# KiCad board STM32MP25XXAJ_DDR4.kicad_pcb (continued)
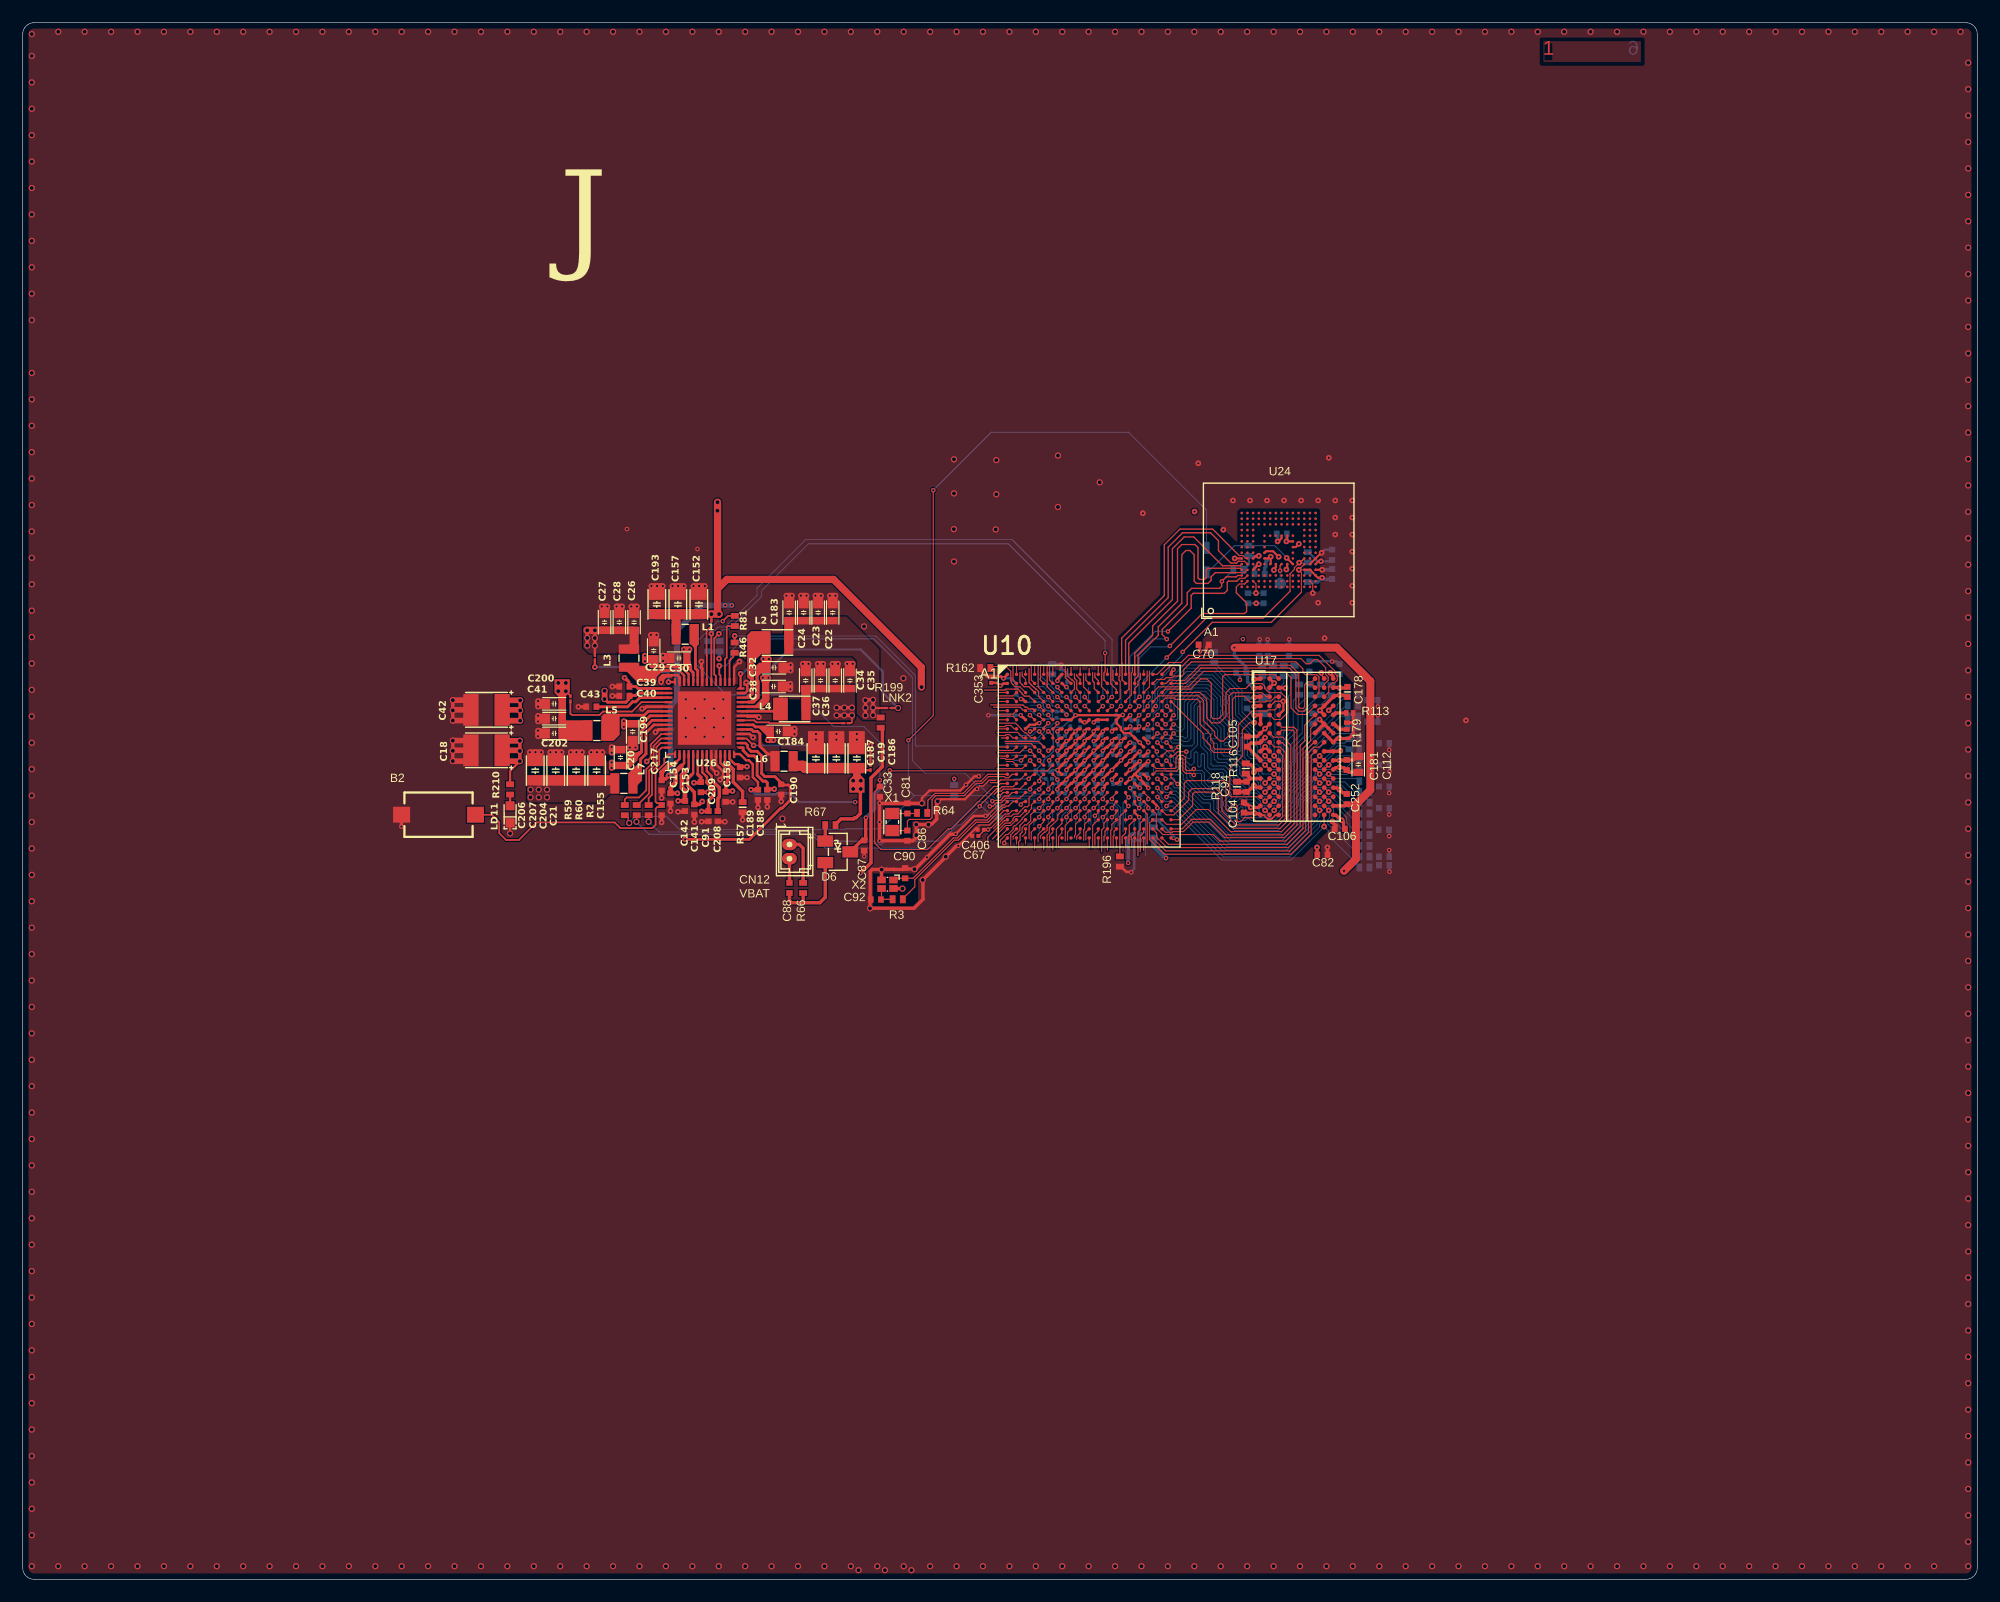
[diagram p0: board, top side]
## Routing (per net, layer and track width the routed paths; a pad name or vN(x,y) marks a point on that pad's centre or on a via; arc(x,y) is an arc through that point) (continued)
VBAT: length 23.9
  Top Layer w0.09: U10.L6 90.16,71.16 76.34,71.16 v1(76.3,71.2)
  Top Layer w0.3: 73.2,64.38 72.85,64.03 D6.3 73.82,65.03 C87.2 ; 73.92,65.12 74.17,65.12 74.18,65.13 74.18,67.01 v1(74.2,67.03)
  Bottom Layer w0.3: v1(74.2,67.03) 74.95,67.78 74.95,69.13 76.3,70.48 v1(76.3,71.2)
VDD3V3_USB: length 50.4
  Top Layer w0.21: 63.12,71.53 63.12,71.6 62.99,71.73 62.92,71.73 62.92,71.74 62.66,71.74 62.2,72.2 U26.13
  Top Layer w0.3: 63.12,71.53 v2(63.73,71.53)
  Signal Layer 2 2 w0.5: v2(63.73,71.53) 66.62,71.53 68.65,69.5 68.65,65.93 73.4,61.19 73.72,61.19 75.75,59.15 93.75,59.15 96.04,61.43 98.57,61.43 v1(100.61,63.47)
  Bottom Layer w0.5: 100.59,63.49 99.55,64.53 R197.1
VDD_DDR: length 45.7
  Top Layer w0.15: v3(47.8,78.17) 48.2,77.76 LNK8.2
  Top Layer w0.2: 109.32,74.86 109.31,74.86 108.97,74.52 ; 108.93,72.87 108.95,72.87 ; 109.73,75.27 109.32,74.87 109.32,74.85 ; 109.33,73.25 109.33,73.27
  Top Layer w0.21: 56.27,78.4 56.82,78.4
  Top Layer w0.22: v1(99.05,72) 99.02,71.97 98.97,71.97 U10.L16 97.88,70.88 ; 97.3,73.65 97.3,73.5 U10.J14 ; 97.46,70.45 97.85,70.84 ; v1(97.45,75.06) 97.24,74.85 U10.G14 ; 99.05,69.65 U10.N16 98.63,70.07 98.63,70.13 98.3,70.46 v1(98.3,70.5) 98.25,70.5 98.16,70.59 97.94,70.81 97.91,70.81 97.87,70.85 U10.M15 ; U10.K15 98.25,72.85 ; 103.57,81.62 103.57,82.15 C70.2 ; 97.45,72.02 97.12,71.69 97.11,71.69 97.07,71.65 U10.L14 ; v2(114.92,76.48) U17.D9 ; v1(97.45,72.03) 97.85,72.43 ; U10.N14 v1(97.45,70.45)
  Top Layer w0.25: 53.46,78.58 53.35,78.69 53.35,78.98 53.2,79.12 53.2,79.12 ; 56.27,78.4 54.15,78.4 53.98,78.58 53.51,78.58
  Top Layer w0.28: 108.93,68.07 108.89,68.07 108.74,67.93 108.05,67.93 107.79,68.19 107.51,68.19 107.4,68.31 ; 114.9,74.91 114.89,74.91 114.53,75.27 ; U17.B3 110.54,78.46 111.09,78.46 ; U17.G7 114.5,75.25 ; 115.33,72.87 115.33,72.87 114.53,72.87 ; 115.88,71.47 115.92,71.43 116.28,71.43 116.49,71.22 116.54,71.22 116.73,71.03 117.55,71.03 ; 115.88,71.47 115.84,71.43 115.52,71.43 115.35,71.27 115.33,71.27 ; 115.88,71.47 115.88,71.42 ; 108.97,74.52 108.63,74.18 107.74,74.18 ; C178.2 116.6,78.55 ; v2(115.95,72.93) 115.9,72.88 U17.J9 ; U17.T9 115.35,67.25 115.58,67.25 116.02,66.8 v2(116.07,66.8) 116.07,66.74 116.23,66.58 116.23,66.19 116.33,66.1 116.35,66.1 ; 113.9,63.77 113.9,64.41 ; 108.34,79.23 108.35,79.24 108.85,79.24 108.86,79.25 108.9,79.25 108.93,79.27 ; 115.07,79.78 115.07,79.72 115.3,79.49 115.3,79.28 115.33,79.25 ; 116.6,78.6 116.45,78.45 v2(115.9,78.45) ; 114.96,74.84 115.33,74.47 U17.G9 ; 109.33,73.27 109.73,72.87 ; U17.L1 108.91,71.26 108.61,71.26 108.34,70.99 108.29,71.04 108.29,71.47 108.07,71.7 107.74,71.7 R116.1 ; 115.33,79.27 115.33,79.28 ; 114.53,72.84 114.55,72.84 ; 114.53,75.3 114.5,75.3 v2(114.12,75.68) ; 115.33,78.47 115.35,78.5 115.83,78.5 115.91,78.42 115.97,78.42
  Top Layer w0.3: 52.94,79.38 53.2,79.12 ; 108.95,72.87 109.33,73.25 ; 108.38,76.87 108.93,76.87 ; 108.38,77.67 108.93,77.67
  Top Layer w0.64: C200.2 C41.2 C202.2 ; 47.48,77.5 47.48,77.93
  Top Layer w0.8: 47.7,74.45 49.48,74.45
  Bottom Layer w0.22: v1(97.45,72.03) 97.7,72.03 97.8,71.93 ; 108.38,77.6 v2(108.38,76.83) 108.4,76.8 ; 108.38,77.6 108.4,77.62 ; 108.38,77.6 108.32,77.55 C218.2 ; 108.38,77.6 v2(108.38,77.62) 108.4,77.62 ; v1(97.45,70.45) 97.7,70.45 C386.2 ; C175.2 98.3,72.58 v1(98.3,72.85) ; 97.45,73.65 97.7,73.65 C201.2 ; v1(99.05,69.65) 99.05,69.9 C195.2 ; v1(97.45,75.06) 97.57,74.94 C176.2 97.57,74.65 ; 98.25,70.5 98.25,70.75 C389.1 ; 108.4,77.62 109.15,77.62 C172.2 ; v1(99.05,72) 99.05,71.75 C383.2
  Bottom Layer w0.28: C179.2 113.88,75.68 v2(114.12,75.68) 114.15,75.68
  vias: v1(97.45,73.65) v1(103.6,81.68) v2(52.95,79.35) v2(108.06,67.93) v2(108.33,71.02) v2(108.36,79.23) v2(109.32,74.88) v2(109.32,73.28) v2(111.11,78.45) v2(113.89,64.42) v2(115.06,79.78) v2(115.87,71.48) v3(47.12,78.89) v3(47.12,78.17) v3(47.8,78.89)
VDD_DDR_FB: length 10.2
  Top Layer w0.15: U26.46 54.45,77.2 53.63,76.38 51.74,76.38 51.74,76.37 51.07,76.37 50.77,76.07 48.32,76.07 48.2,76.19 LNK8.1
VDD_EMMC: length 133.5
  Top Layer w0.18: 109.82,89.85 109.82,89.41 109.78,89.36 U24.F5 ; U24.J10 111.28,91.42 111.27,91.41 111.27,91.33 111.28,91.33 ; U24.E6 109.58,89.85 109.73,90 v2(109.82,90) ; 111.28,91.33 111.28,91.32 111.36,91.32 111.39,91.35 U24.K9 ; 111.28,91.33 111.2,91.25
  Top Layer w0.21: U26.16 63.6,73.6 63.79,73.41 63.79,73.19 63.93,73.04
  Top Layer w0.25: v2(58.3,65.12) 63.96,65.12 66.7,67.87 66.82,67.87 67.53,68.58 67.53,69.76 67.39,69.91 66.8,69.91 C190.1 ; 66.75,70.09 66.19,70.65 65.3,70.65 65.03,70.93 65.03,72.48 64.63,72.87 64.1,72.87 63.93,73.04
  Signal Layer 2 2 w0.5: 111.21,91.25 111.21,91.08 110.75,90.62 110.27,90.62 109.84,90.2 109.84,90.01 109.83,90 ; 58.31,65.12 57.88,65.55 57.88,66.91 58.27,67.3 58.27,69.37 57.88,69.76 57.88,71.79 57.02,72.65 54.71,72.65 52.84,70.77 44.03,70.77 42.97,71.84 42.97,84.46 51.63,93.11 106.74,93.11 109.69,90.16
  Bottom Layer w0.3: C177.2 111.22,92 111.22,91.28 111.2,91.25 ; C180.2 109.3,89.05 109.4,89.15 109.4,89.58 v2(109.82,90)
  vias: v2(111.2,91.35)
VDD_SDCARD: length 5.1
  Top Layer w0.21: 58.43,71.2 58.6,71.38 U26.4
  Top Layer w0.3: v2(57.67,68.51) C142.1
  Top Layer w0.4: 58.43,71.2 58.01,70.79 58.01,69.66 58.27,69.39 C142.1
VDDA1V8_AON: length 36.2
  Top Layer w0.1: 85.9,68.88 86.28,69.25 U10.P1 ; 91.03,70.38 91.03,70.48 U10.M6
  Top Layer w0.21: C189.2 64.7,70.15 64.25,70.6 64.25,71.73 63.89,72.09 63.65,72.09 63.11,72.63 62.6,72.63
  Top Layer w0.3: v2(64.09,69.49) C189.2
  Signal Layer 2 2 w0.2: 85.91,68.88 85.87,68.92 85.74,68.92 85.69,68.97 84.52,68.97 83.15,67.6 74.07,67.6 73.26,68.41 v1(73.25,68.41)
  Bottom Layer w0.1: 91.1,70 90.9,70 90.64,69.74 90.64,69.29 90.46,69.11 89.21,69.11 89.03,68.93 85.95,68.93 85.91,68.88
  Bottom Layer w0.12: 91.1,70.07 C393.2 ; v1(91.05,70.38) 91.1,70.32
  Bottom Layer w0.2: 91.1,70.07 91.1,70.32 ; v1(73.25,68.41) 68.3,68.41 67.53,69.17 66.39,69.17 66.32,69.1 64.48,69.1 v2(64.09,69.49)
  vias: v1(85.9,68.93)
VDDCORE: length 24.8
  Top Layer w0.09: 91.89,74.48 91.89,74.49
  Top Layer w0.2: C22.2 71.32,84.42 ; 74.87,76.69 75.98,76.69
  Top Layer w0.22: 92.65,73.78 92.91,74.03 93.03,74.03 U10.H9 93.45,74.45 v1(93.45,74.62) 93.45,74.68 93.62,74.85 93.84,74.85 ; 92.65,73.78 92.65,73.8 ; 92.65,73.78 v1(92.65,73.78) 92.65,73.65 U10.J8 92.21,73.21 92.11,73.21 91.85,72.95 v1(91.85,72.93) 91.82,72.89 91.82,72.81 91.46,72.45 ; C353.2 85.73,78.9 86,78.63 86.09,78.63 86.29,78.83 86.63,78.83 U10.B1 ; v1(91.05,73.78) 91.05,73.82 91.25,74.02 91.42,74.02 U10.H7 ; v1(92.65,72.08) 92.67,72.08 U10.K9 93.05,72.47 93.09,72.51 93.09,72.55 93.45,72.91 ; 91.44,72.45 91.44,72.45 91.06,72.08 v1(91.05,72.08) ; v1(91.85,74.62) 91.88,74.62 92.09,74.83 92.25,74.83 92.25,74.84 ; U10.J10 93.56,72.96 93.48,72.96 v1(93.45,72.93) ; U10.F3 88.08,75.82 88.04,75.82 87.82,76.04 v1(87.82,76.05) ; U10.A7 91.08,79.28 91.08,79.09 91.05,79.06
  Top Layer w0.3: 74.15,77.4 v3(74.83,77.4) v3(74.83,76.73) ; v3(74.16,76.02) v3(74.16,76.7) v3(74.16,77.37) ; v3(74.83,76.73) 74.87,76.69 ; v3(74.83,76.73) v3(74.83,76.05)
  Top Layer w0.64: C183.2 C24.2 C23.2 C22.2
  Top Layer w0.8: 67.41,82.2 L2.2 67.41,84.17
  Bottom Layer w0.2: v1(91.05,79.08) 91.28,79.3 91.28,79.48 C355.2 ; C161.2 v1(87.82,76.05)
  Bottom Layer w0.22: v1(91.05,73.78) 91.05,73.55 91.17,73.43 ; C378.2 91.05,71.83 v1(91.05,72.08) ; v1(92.65,72.08) 92.65,71.83 C372.2 ; 91.72,74.28 91.85,74.4 v1(91.85,74.62) ; v1(93.45,72.93) 93.45,72.68 C164.1 ; v1(92.65,73.78) 92.65,73.53 C167.2 ; v1(91.85,72.93) 91.85,72.68 C169.2 ; 93.35,74.28 93.45,74.38 v1(93.45,74.62)
  vias: v1(86.03,78.65)
VDDCORE_FB: length 19.9
  Top Layer w0.2: 63.17,78.4 v2(63.17,79.7) ; LNK2.1 77.03,76.69
  Bottom Layer w0.2: v3(77.03,76.68) 75.68,78.04 75.68,79.9 73.74,81.83 67.46,81.83 65.73,80.11 63.75,80.11 63.4,79.76 63.23,79.76 v2(63.17,79.7)
VDDCPU: length 16.3
  Top Layer w0.2: LNK4.1 v3(50.35,82.17)
  Top Layer w0.22: U10.K13 96.27,72.47 96.27,72.52 96.65,72.91 ; v1(95.05,74.62) 95.05,74.64 95.25,74.84 95.43,74.84 95.44,74.85 ; 95.88,73.7 95.88,73.68 U10.J12 95.43,73.23 95.35,73.23 95.05,72.93 ; 96.24,74.05 96.22,74.02 96.06,74.02 95.85,73.82 v1(95.85,73.78) ; v1(94.25,73.78) 94.28,73.81 94.44,73.81 94.61,73.98 94.61,73.99 94.65,74.03 94.65,74.2 95.07,74.62
  Top Layer w0.3: v3(49.68,82.17) v3(49.68,82.85) v3(49.68,83.52) v3(50.35,83.52) v3(50.35,82.85) v3(50.35,82.17)
  Top Layer w0.64: v3(49.68,83.52) 49.68,83.53 C27.2 C28.2 C26.2
  Top Layer w0.8: L3.2 53.8,81.88 53.8,83.17
  Bottom Layer w0.22: 94.92,72.53 95.05,72.65 v1(95.05,72.93) ; 96.5,72.55 96.65,72.7 v1(96.65,72.93) ; v1(95.85,73.78) 95.85,73.53 C174.1 ; C360.1 95.05,74.38 v1(95.05,74.62) ; C159.2 94.25,73.53 v1(94.25,73.78)
VDDCPU_FB: length 8.6
  Top Layer w0.2: v2(56.82,78.98) 57.4,78.98 ; v2(50.35,80.29) LNK4.2
  Bottom Layer w0.2: 56.84,78.97 56.84,79.67 56.64,79.87 53.91,79.87 53.5,80.29 50.37,80.29
VDDGPU: length 14.9
  Top Layer w0.15: LNK7.2 72.68,75.36 72.89,75.36 72.97,75.45 v3(72.97,76.04)
  Top Layer w0.2: 73.05,78.39 73.1,78.34
  Top Layer w0.22: 94.27,72.08 94.64,72.45 ; v1(95.05,69.53) 95.2,69.68 95.2,69.84 95.41,70.05 95.44,70.05 ; v1(95.05,71.23) 95.03,71.23 U10.M11 94.25,70.45 v1(94.25,70.38) ; v1(95.85,70.38) 95.85,70.41 96.24,70.81 96.24,70.85
  Top Layer w0.24: 95.05,71.25 U10.L12
  Top Layer w0.3: v1(95.05,71.23) 95.05,71.25 ; v3(72.97,76.71) v3(72.3,76.71) v3(71.62,76.71) ; v3(71.62,76.04) v3(72.3,76.04) v3(72.97,76.04)
  Top Layer w0.64: C35.2 C34.2 C36.2 C37.2
  Top Layer w0.8: L4.2 68.92,78.07
  Bottom Layer w0.22: C191.1 95.85,70.12 v1(95.85,70.38) ; v1(95.05,69.53) 95.05,69.28 C402.2 ; 94.4,71.68 C388.2 94.25,71.83 v1(94.25,72.08) ; C381.2 94.25,70.12 v1(94.25,70.38)
  Bottom Layer w0.24: v1(95.05,71.23) 95.05,70.98 C382.2
  Bottom Layer w0.3: 94.2,70.4 94.22,70.4
VDDGPU_FB: length 9.3
  Top Layer w0.15: LNK7.1 65.71,75.35 65.64,75.42 64.56,75.42 64.38,75.6 63.05,75.6
VDDIO: length 54.1
  Top Layer w0.09: U10.L10 93.87,71.63
  Top Layer w0.2: 93.87,71.63 93.84,71.63 93.45,71.24 93.45,71.23 ; U26.29 62.6,80.3 v2(63.07,80.77) ; LNK11.2 73.58,71.22 C186.2
  Top Layer w0.22: v1(93.45,71.23) 93.42,71.23 U10.M9 92.7,70.5 92.7,70.42 v1(92.65,70.38) 92.32,70.05 U10.N8 91.85,69.65 v1(91.85,69.53) ; 93.84,75.64 93.85,75.62 ; 93.84,75.64 U10.F10 ; 93.84,75.64 93.82,75.65 ; 93.84,75.64 93.62,75.43 v1(93.45,75.43) 93.28,75.43 U10.F9 ; 94.65,75.65 94.65,75.65 ; 94.65,75.65 U10.F11 ; 94.65,75.65 94.47,75.65 v1(94.25,75.43) ; 94.65,75.65 95.44,75.65 ; U10.N10 93.45,69.65 v1(93.45,69.53) ; 91.84,71.23 91.83,71.24 91.83,71.24 92.24,71.65 92.24,71.65
  Top Layer w0.3: v3(73.75,69.56) 73.71,69.52 73.71,67.4 73.34,67.03 73.23,67.03 73.12,66.93 72.01,66.93 71.53,66.44 R67.2 ; v3(73.08,69.56) 73.12,69.51
  Top Layer w0.64: 73.4,70.53 73.4,70.96
  Top Layer w0.9: 67.85,71.6 68.65,71.6 68.85,71.4 C187.2 C19.2 C186.2
  Signal Layer 2 2 w0.15: v1(93.45,71.23) 93.45,71.54 93.83,71.92 93.83,75.05 93.82,75.05
  Signal Layer 2 2 w0.22: v1(94.25,75.43) 93.88,75.05 93.82,75.05 v1(93.45,75.43)
  Signal Layer 2 2 w0.3: v2(61.28,81.03) 62.8,81.03 63.05,80.78 63.07,80.78 ; v2(63.07,80.77) 63.13,80.77 63.44,81.08 64.54,81.08 64.97,81.51 65.93,81.51 66.45,80.99 66.45,78.6 67.46,77.6 73,77.6 73.55,77.05 73.55,75.16 73.95,74.76 73.95,72.57 73.75,72.37 v3(73.75,70.28)
  Bottom Layer w0.15: C143.2 93.12,75.48 93.42,75.48
  Bottom Layer w0.22: C192.2 92.65,70.12 v1(92.65,70.38) ; 91.72,70.83 91.85,70.95 v1(91.85,71.23) ; C400.2 93.45,69.28 v1(93.45,69.53) ; v1(91.85,69.53) 91.85,69.28 C399.1 ; C380.2 93.45,70.98 v1(93.45,71.23) ; 81.95,69.85 81.97,69.88 R27.2 v1(81.97,70.45) ; C342.2 94.38,75.55 v1(94.25,75.43)
  Bottom Layer w0.3: R260.2 R261.2 61.29,81.67 61.29,81.04 v2(61.28,81.03)
  vias: v3(73.08,70.28)
VDDIO_FB: length 13.4
  Top Layer w0.15: U26.17 63.7,74 64.3,73.4 v2(64.32,73.4)
  Top Layer w0.2: LNK11.1 v2(74.6,73.4)
  Bottom Layer w0.15: v2(64.32,73.4) 74.6,73.4
VDDIO_SDCARD: length 66.6
  Top Layer w0.21: 57.46,71.87 57.8,72.21 U26.2
  Top Layer w0.22: U10.F14 v1(97.45,76.05)
  Top Layer w0.3: 56.23,70.38 56.27,70.43 56.56,70.43 56.84,70.7 v2(56.84,70.74)
  Top Layer w0.4: 57.46,71.87 57.28,71.69 56.9,71.69 56.23,71.02 C217.1
  Signal Layer 2 2 w0.15: 97.03,81.75 97.03,76.47 v1(97.45,76.05)
  Signal Layer 2 2 w0.5: 97.03,81.75 93.06,85.73 v1(62.4,85.73) v1(61.82,85.73)
  Bottom Layer w0.3: 97.55,75.58 97.45,75.67 v1(97.45,76.05)
  Bottom Layer w0.5: v1(62.4,85.73) v1(61.82,85.73) 59.76,85.73 57.58,83.54 57.58,82.1 57.58,82.1 57.58,81.6 57.58,81.6 57.58,77.48 57.01,76.91 57.01,70.91 v2(56.84,70.74)
ANA0: length 1.4
  Top Layer w0.1: 96.75,64.73 96.75,65.37 97.05,65.67 U10.V14
ANA1: length 0.9
  Top Layer w0.1: 97.05,64.36 U10.W14
BOOT0: length 3.2
  Top Layer w0.1: U10.N3 87.77,69.57 87.25,69.57 87.23,69.55 86.29,69.55 86.12,69.38 85.78,69.38 85.47,69.07
BOOT1: length 1.6
  Top Layer w0.1: 88.64,69.65 89.04,70.05
  Bottom Layer w0.1: 87.65,69.53 v1(88.64,69.53)
BOOT2: length 0.5
  Top Layer w0.09: v1(87.82,68.19) 87.82,68.2 88.05,68.43 88.23,68.43 U10.R3
BOOT3: length 5.3
  Top Layer w0.09: U10.P4 88.55,68.75 88.55,68.12 88.42,67.99 88.16,67.99 87.75,67.57 87.75,67.53 87.57,67.35 87.19,67.35 87.01,67.16 86.51,67.16 85.43,66.09
COMBOPHY_RX1N: length 1.1
  Top Layer w0.09: 95.45,64.15 U10.W12
COMBOPHY_RX1P: length 1.2
  Top Layer w0.09: 95.44,66.05 95.24,65.84 95.24,65.46 95.15,65.37 95.15,64.95
COMBOPHY_TX1N: length 0.9
  Top Layer w0.09: U10.W11 94.64,65.24 94.64,64.36
COMBOPHY_TX1P: length 1.5
  Top Layer w0.09: U10.V11 94.63,66.03 94.63,65.85 94.35,65.56 94.35,64.63
CSI_CKN: length 1.6
  Top Layer w0.09: 85.97,77.75 87.15,77.75 U10.C2
CSI_CKP: length 0.8
  Top Layer w0.09: 85.87,78.05 U10.C1
CSI_D0N: length 0.8
  Top Layer w0.09: 85.87,76.45 U10.E1
CSI_D0P: length 1.8
  Top Layer w0.09: 85.79,76.15 87.15,76.15 U10.E2
CSI_D1N: length 1.7
  Top Layer w0.09: 87.45,77.25 87.16,77.55 85.82,77.55
CSI_D1P: length 0.8
  Top Layer w0.09: 85.87,77.25 U10.D1
DDR_A0: length 32.7
  Top Layer w0.09: 101.05,74.05 101.06,74.07 101.06,74.26 101.25,74.45 v1(101.28,74.45) ; 110.13,69.27 110.53,68.87
  Bottom Layer w0.09: 116.6,77.85 116.6,77.76 116.39,77.55 116.25,77.55 115.67,76.97 115.67,76.64 111.98,72.95 111.98,71.89 111.63,71.54 111.63,71.11 111.37,70.84 111.37,70.72 110.71,70.06 110.71,69.8 110.18,69.27 110.13,69.27 110.05,69.19 109.87,69.19 109.55,68.88 109.16,68.88 108.56,69.48 108.18,69.48 107.92,69.73 107.92,69.85 107.55,70.22 107.33,70.22 106.82,70.73 106.82,71.39 106.03,72.17 105.29,72.17 105.15,72.32 105.15,73.49 105.06,73.58 104.63,73.58 104.54,73.67 104.54,73.9 104.62,73.98 105.01,73.98 105.15,74.12 105.15,74.79 104.54,75.4 104.54,77.3 103.98,77.86 103.26,77.86 102.51,77.11 102.51,74.13 102.4,74.03 102.23,74.03 102.09,74.18 101.55,74.18 v1(101.28,74.45)
  vias: v2(110.12,69.28)
DDR_A1: length 25.2
  Top Layer w0.09: 113.73,68.87 114.13,68.47 ; v1(99.85,70.45) U10.N18
  Bottom Layer w0.09: 117.65,66.43 117.57,66.43 115.12,68.88 114.75,68.88 114.35,68.47 114.05,68.47 113.52,67.95 113.52,66.88 111.11,64.46 106.03,64.46 101.41,69.07 101.14,69.07 100.97,69.25 100.55,69.25 100.24,69.56 100.24,70.06 v1(99.85,70.45)
  vias: v2(114.12,68.48)
DDR_A2: length 34.4
  Top Layer w0.09: 110.53,68.07 110.52,68.07 v2(110.12,67.68) ; 100.25,72.45 100.71,72.91 101.28,72.91 101.62,73.25 v1(101.7,73.25) 101.7,73.25
  Bottom Layer w0.09: 110.12,67.67 109.73,67.28 109.04,67.28 108.8,67.52 108.8,67.75 108.22,68.33 107.71,68.33 107.33,68.7 107.12,68.7 106.54,68.12 106.41,68.12 106.33,68.2 106.33,68.33 106.84,68.84 106.84,69.07 105.47,70.44 105.47,70.58 105.66,70.78 105.66,70.91 105.55,71.01 105.35,71.01 104.5,70.16 104.37,70.16 104.28,70.25 104.28,70.39 104.56,70.67 104.56,70.79 103.99,71.36 103.99,72.58 103.89,72.68 103.78,72.68 103.7,72.59 103.7,71.6 103.59,71.5 103.48,71.5 103.4,71.58 103.4,72.72 103.3,72.82 103.18,72.82 103.09,72.73 103.09,71.89 102.88,71.67 102.71,71.67 102.23,72.16 101.67,72.16 101.58,72.24 101.58,72.51 101.16,72.93 101.16,73.07 101.33,73.25 v1(101.7,73.25) 101.7,73.25 ; R268.1 117.41,74.26 117.41,74.36 117.34,74.43 115.37,74.43 112.88,71.95 112.88,71.07 112.47,70.66 112.47,70.52 111.47,69.52 111.47,69.37 111.26,69.16 111.26,68.95 110.73,68.43 110.73,68.22 110.18,67.67 110.13,67.67
DDR_A3: length 24.3
  Top Layer w0.09: U10.M18 100.57,70.53 v1(100.57,70.45) ; 113.73,69.67 114.13,69.27
  Bottom Layer w0.09: 117.63,68.36 117.63,68.43 117.42,68.64 117.3,68.64 116.05,69.9 115.62,69.9 115.4,69.68 114.73,69.68 114.33,69.27 114.07,69.27 113.1,68.3 113.1,67.28 110.87,65.04 106.27,65.04 101.65,69.65 101.38,69.65 101.24,69.79 101.24,70.12 101.38,70.25 101.38,70.43 101.27,70.53 101.07,70.53 100.99,70.45 v1(100.57,70.45)
  vias: v2(114.12,69.28)
DDR_A4: length 30.9
  Top Layer w0.09: 101.05,74.85 101.06,74.86 101.06,75.07 101.24,75.25 v1(101.28,75.25) ; 110.53,69.67 110.13,70.07 110.13,70.07
  Bottom Layer w0.09: 101.28,75.25 101.39,75.25 101.69,74.95 101.84,74.95 101.93,75.04 101.93,77.35 103.02,78.44 104.22,78.44 105.12,77.54 105.12,75.64 105.73,75.03 105.73,74.03 105.81,73.95 106.14,73.95 106.23,73.86 106.23,73.72 106.15,73.65 105.81,73.65 105.73,73.57 105.73,73.44 105.81,73.35 106.13,73.35 106.23,73.26 106.23,73.13 106.15,73.05 105.82,73.05 105.73,72.96 105.73,72.85 105.82,72.75 106.27,72.75 107.5,71.53 107.5,71.25 107.4,71.15 107.4,70.97 107.56,70.81 107.78,70.81 107.98,70.61 108.59,70.61 108.94,70.27 108.94,69.91 109.17,69.68 109.48,69.68 109.82,70.01 110.06,70.01 v2(110.12,70.08) ; 110.16,70.08 110.92,70.84 110.92,71.01 111.25,71.34 111.25,71.7 111.55,72 111.55,73.45 112.59,74.49 112.59,76.34 113.89,77.64 114.01,77.64 R263.1
DDR_A5: length 24.1
  Top Layer w0.09: 100.64,68.85 100.65,68.85 101.05,69.25 101.05,69.25 ; 114.53,68.87 114.93,68.47
  Bottom Layer w0.09: 114.92,68.47 114.76,68.47 114.36,68.08 113.97,68.08 113.72,67.83 113.72,66.67 111.23,64.17 105.91,64.17 101.29,68.78 101.02,68.78 100.95,68.85 100.66,68.85 ; 117.62,65.45 116.47,66.61 116.47,67.1 115.18,68.4 115,68.4 v2(114.92,68.48)
  vias: v1(100.65,68.85)
DDR_A6: length 32.4
  Top Layer w0.09: 100.26,74.05 100.57,74.37 v1(100.57,74.45) ; 109.33,68.47 109.73,68.87
  Bottom Layer w0.09: v1(100.57,74.45) 100.62,74.45 100.78,74.29 100.92,74.29 101.32,73.89 101.97,73.89 102.11,73.74 102.52,73.74 102.8,74.01 102.8,76.99 103.38,77.57 103.86,77.57 104.25,77.18 104.25,75.28 104.65,74.87 104.65,74.42 104.25,74.02 104.25,73.55 104.86,72.94 104.86,72.2 105.17,71.88 105.91,71.88 106.53,71.27 106.53,70.61 107.21,69.93 107.33,69.93 108.07,69.19 108.56,69.19 109.3,68.45 ; 109.33,68.47 109.44,68.47 109.85,68.88 110.29,68.88 110.58,69.17 110.58,69.41 110.9,69.72 110.9,69.92 111.65,70.66 111.65,70.78 112.2,71.34 112.2,72.66 116.44,76.9 116.65,76.9
  vias: v2(109.32,68.48)
DDR_A7: length 24.6
  Top Layer w0.09: v1(100.65,68.05) U10.R19 ; 114.53,68.07 v2(114.92,67.68)
  Bottom Layer w0.09: 114.12,66.25 114.12,66.48 114.45,66.8 114.45,67.2 v2(114.92,67.68) 114.99,67.61 114.99,67.02 114.84,66.86 114.84,66.49 117.42,63.91 117.42,63.82 117.63,63.61 ; v1(100.65,68.05) 101.2,68.05 105.66,63.59 111.48,63.59 114.13,66.24
DDR_A8: length 33.8
  Top Layer w0.09: 109.73,68.07 110.13,68.47 ; 99.45,74.05 99.85,74.45
  Bottom Layer w0.09: v1(99.85,74.45) 99.9,74.4 100.12,74.4 100.53,74 100.8,74 101.09,73.71 ; 101.08,73.71 101.2,73.6 101.85,73.6 102.09,73.35 102.88,73.35 103.09,73.55 103.09,76.87 103.5,77.28 103.74,77.28 103.96,77.06 103.96,74.91 104.06,74.81 104.25,74.81 104.36,74.69 104.36,74.55 104.26,74.45 104.05,74.45 104.05,74.45 103.96,74.36 103.96,73.43 104.57,72.82 104.57,71.75 104.73,71.59 105.79,71.59 106.24,71.15 106.24,70.49 107.09,69.64 107.21,69.64 107.95,68.91 108.48,68.91 108.91,68.47 108.91,68.32 109.16,68.08 109.49,68.08 109.83,68.41 110.12,68.41 110.79,69.09 110.79,69.29 111.09,69.59 111.09,69.8 111.91,70.62 111.91,70.71 112.43,71.23 112.43,72.44 115.95,75.95 R266.1
  vias: v2(110.12,68.48)
DDR_A9: length 26
  Top Layer w0.09: v1(99.85,69.65) U10.P18 ; 113.73,68.07 114.13,67.67
  Bottom Layer w0.09: 114.13,67.67 114.13,67.12 113.92,66.91 113.92,66.45 111.35,63.88 105.79,63.88 101.2,68.46 100.54,68.46 100.19,68.81 100.19,68.99 99.85,69.34 v1(99.85,69.65) ; 117.6,64.53 117.6,64.65 117.42,64.83 117.29,64.83 115.66,66.47 115.66,66.97 115.35,67.28 115.35,67.81 115.09,68.07 114.76,68.07 114.37,67.68 v2(114.12,67.68)
DDR_A10: length 28.6
  Top Layer w0.09: 101.05,75.65 101.05,75.88 101.21,76.04 101.21,76.05 v1(101.28,76.05) ; 110.13,70.87 110.13,70.87 110.53,70.47
  Bottom Layer w0.09: 107.19,72.95 107.11,72.86 106.99,72.86 106.9,72.95 106.9,74.11 ; 107.19,72.95 107.19,74.07 ; 101.28,76.05 101.32,76.09 101.32,77.57 102.78,79.02 104.46,79.02 105.81,77.67 105.81,77.51 105.7,77.39 105.7,77 105.85,76.85 105.85,76.45 105.7,76.3 105.7,75.88 106.57,75 106.57,74.44 106.9,74.11 ; 107.19,74.07 107.28,74.15 107.4,74.15 107.48,74.07 107.48,72.37 108.11,71.74 108.61,71.74 109.05,71.29 109.05,70.97 109.15,70.87 110.19,70.87 110.84,71.53 110.84,71.83 111.14,72.13 111.14,74.13 111.82,74.8 111.82,77.34 R254.1
  vias: v2(110.12,70.88)
DDR_A11: length 31.9
  Top Layer w0.09: 101.05,72.45 101.08,72.47 101.26,72.47 101.62,72.84 102.39,72.84 ; 109.35,67.66 109.73,67.28 109.73,67.27
  Bottom Layer w0.09: 109.3,67.66 108.34,68.62 107.83,68.62 ; 109.33,67.67 109.51,67.67 109.91,68.08 110.29,68.08 110.52,68.31 110.52,68.52 111.02,69.01 111.02,69.22 111.28,69.48 111.28,69.67 112.21,70.6 112.21,70.73 112.66,71.18 112.66,72.2 115.47,75 R271.1 ; 107.83,68.61 107.09,69.35 106.97,69.35 105.95,70.37 105.95,71.03 105.67,71.3 104.46,71.3 104.28,71.48 104.28,72.7 103.67,73.31 103.67,76.75 103.59,76.83 103.46,76.83 103.38,76.75 103.38,73.43 102.8,72.85 102.8,72.33 102.7,72.23 102.56,72.23 102.39,72.41 v1(102.39,72.84)
  vias: v2(109.32,67.68)
DDR_A12: length 25.9
  Top Layer w0.09: v1(99.84,72.05) 99.85,72.05 U10.L18 ; U17.M7 v2(114.12,70.08)
  Bottom Layer w0.09: 117.63,70.26 117.63,70.27 117.42,70.48 114.71,70.48 114.31,70.07 114.06,70.07 113.52,69.54 113.52,69.32 112.68,68.48 112.68,67.68 110.63,65.62 106.51,65.62 104.51,67.61 104.51,68.23 104.4,68.33 103.79,68.33 101.84,70.28 101.84,70.66 101.68,70.82 100.3,70.82 100.22,70.9 99.67,70.9 99.52,71.06 99.52,71.72 v1(99.84,72.05)
DDR_A13: length 25
  Top Layer w0.09: v1(99.85,68.85) U10.R18 ; 114.53,66.25 114.53,67.27
  Bottom Layer w0.09: 99.86,68.85 99.86,68.57 100.24,68.19 100.24,67.97 100.5,67.7 101.13,67.7 105.54,63.3 111.6,63.3 114.53,66.23 v2(114.53,66.25) ; 117.65,62.62 117.65,62.72 114.92,65.45 114.92,65.86 v2(114.53,66.25) ; v2(114.53,66.25) 114.53,66.28
DDR_ACTN: length 27.5
  Top Layer w0.09: U10.E19 100.68,76.82 100.68,76.85 ; 110.13,71.67 110.53,71.27
  Bottom Layer w0.09: 110.13,71.67 110.06,71.67 109.85,71.89 109.73,71.89 109.54,72.08 109.16,72.08 108.64,72.6 108.64,73.31 108.56,73.38 108.42,73.38 108.35,73.31 108.35,72.62 108.27,72.53 108.14,72.53 108.06,72.61 108.06,74.34 106.43,75.97 106.43,77.87 104.7,79.6 102.54,79.6 100.7,77.76 100.7,76.86 v1(100.69,76.85) ; v2(110.12,71.68) 110.15,71.68 110.73,72.25 110.73,75.33 110.62,75.43 110.62,77 110.53,77.1 110.53,77.52 110.71,77.7 110.71,78.61 110.97,78.88 110.97,79.48
DDR_BA0: length 32.1
  Top Layer w0.09: 109.73,69.67 109.73,69.67 109.33,69.27 ; 99.85,75.27 v1(99.85,75.27) 99.85,75.26 100.25,74.86
  Bottom Layer w0.09: v1(99.85,75.27) 100.31,74.8 101.43,74.8 101.57,74.66 101.96,74.66 102.22,74.92 102.22,77.23 103.14,78.15 104.1,78.15 104.83,77.42 104.83,75.52 105.44,74.91 105.44,72.73 105.7,72.46 106.15,72.46 107.11,71.51 107.11,70.85 107.45,70.51 107.67,70.51 107.79,70.39 108.46,70.39 108.74,70.11 108.74,69.76 109.23,69.27 109.42,69.27 109.83,69.68 110.29,69.68 110.52,69.91 110.52,70.17 111.18,70.83 111.18,71 111.44,71.26 111.44,71.62 111.77,71.95 111.77,73.16 113.07,74.46 113.07,76.53 113.5,76.96 114.24,76.96 114.87,77.59 114.97,77.59 R253.1
  vias: v2(109.32,69.28)
DDR_BA1: length 23.5
  Top Layer w0.09: 114.53,69.67 114.93,69.27 114.9,69.27 ; v1(100.65,69.65) U10.N19
  Bottom Layer w0.09: 117.65,67.4 117.23,67.4 115.39,69.24 114.96,69.24 v2(114.92,69.28) ; v1(100.65,69.65) 100.66,69.64 100.98,69.64 101.26,69.36 101.53,69.36 106.15,64.75 110.99,64.75 113.33,67.1 113.33,68.24 113.96,68.88 114.34,68.88 114.74,69.27 114.92,69.27
DDR_BG0: length 28.8
  Top Layer w0.09: 109.33,70.08 109.33,70.09 109.71,70.47 109.73,70.47 ; v1(100.57,75.25) 100.57,75.27 100.25,75.6 U10.F18
  Bottom Layer w0.09: R255.1 113.18,77.85 112.97,77.64 112.97,77.6 112.22,76.85 112.22,74.75 111.35,73.87 111.35,72.06 111.06,71.78 111.06,71.42 110.57,70.93 110.57,70.76 110.29,70.48 109.72,70.48 109.33,70.08 109.33,70.29 108.75,70.86 108.75,71.18 108.52,71.41 108.35,71.41 ; 108.35,71.41 107.91,71.41 107.79,71.53 107.79,71.65 107.19,72.25 107.19,72.5 107.12,72.57 106.87,72.57 106.57,72.86 106.57,74.03 106.36,74.24 106.13,74.24 106.02,74.36 106.02,74.49 106.28,74.75 106.28,74.88 105.41,75.76 105.41,76.42 105.56,76.57 105.56,76.73 105.41,76.88 105.41,77.66 104.34,78.73 102.9,78.73 101.63,77.46 101.63,75.74 101.55,75.66 100.99,75.66 100.58,75.25